# Altium PCB PCB1.PcbDoc (part 5 of 6)
Units mm, origin at the board's own origin, x right, y up, seen from the top; angles counter-clockwise.
Board outline 152.4 x 101.6 mm, 8 copper layers (L1-CU, GND, L3-CU-PWR, L4-CU, L5-CU-GND, L6-CU, L7-CU-GND, L8-CU), stack 1.524 mm thick; 274 components, 255 nets, 1291 pads, 685 vias.
Unrouted connection lines stored in the file: 236.
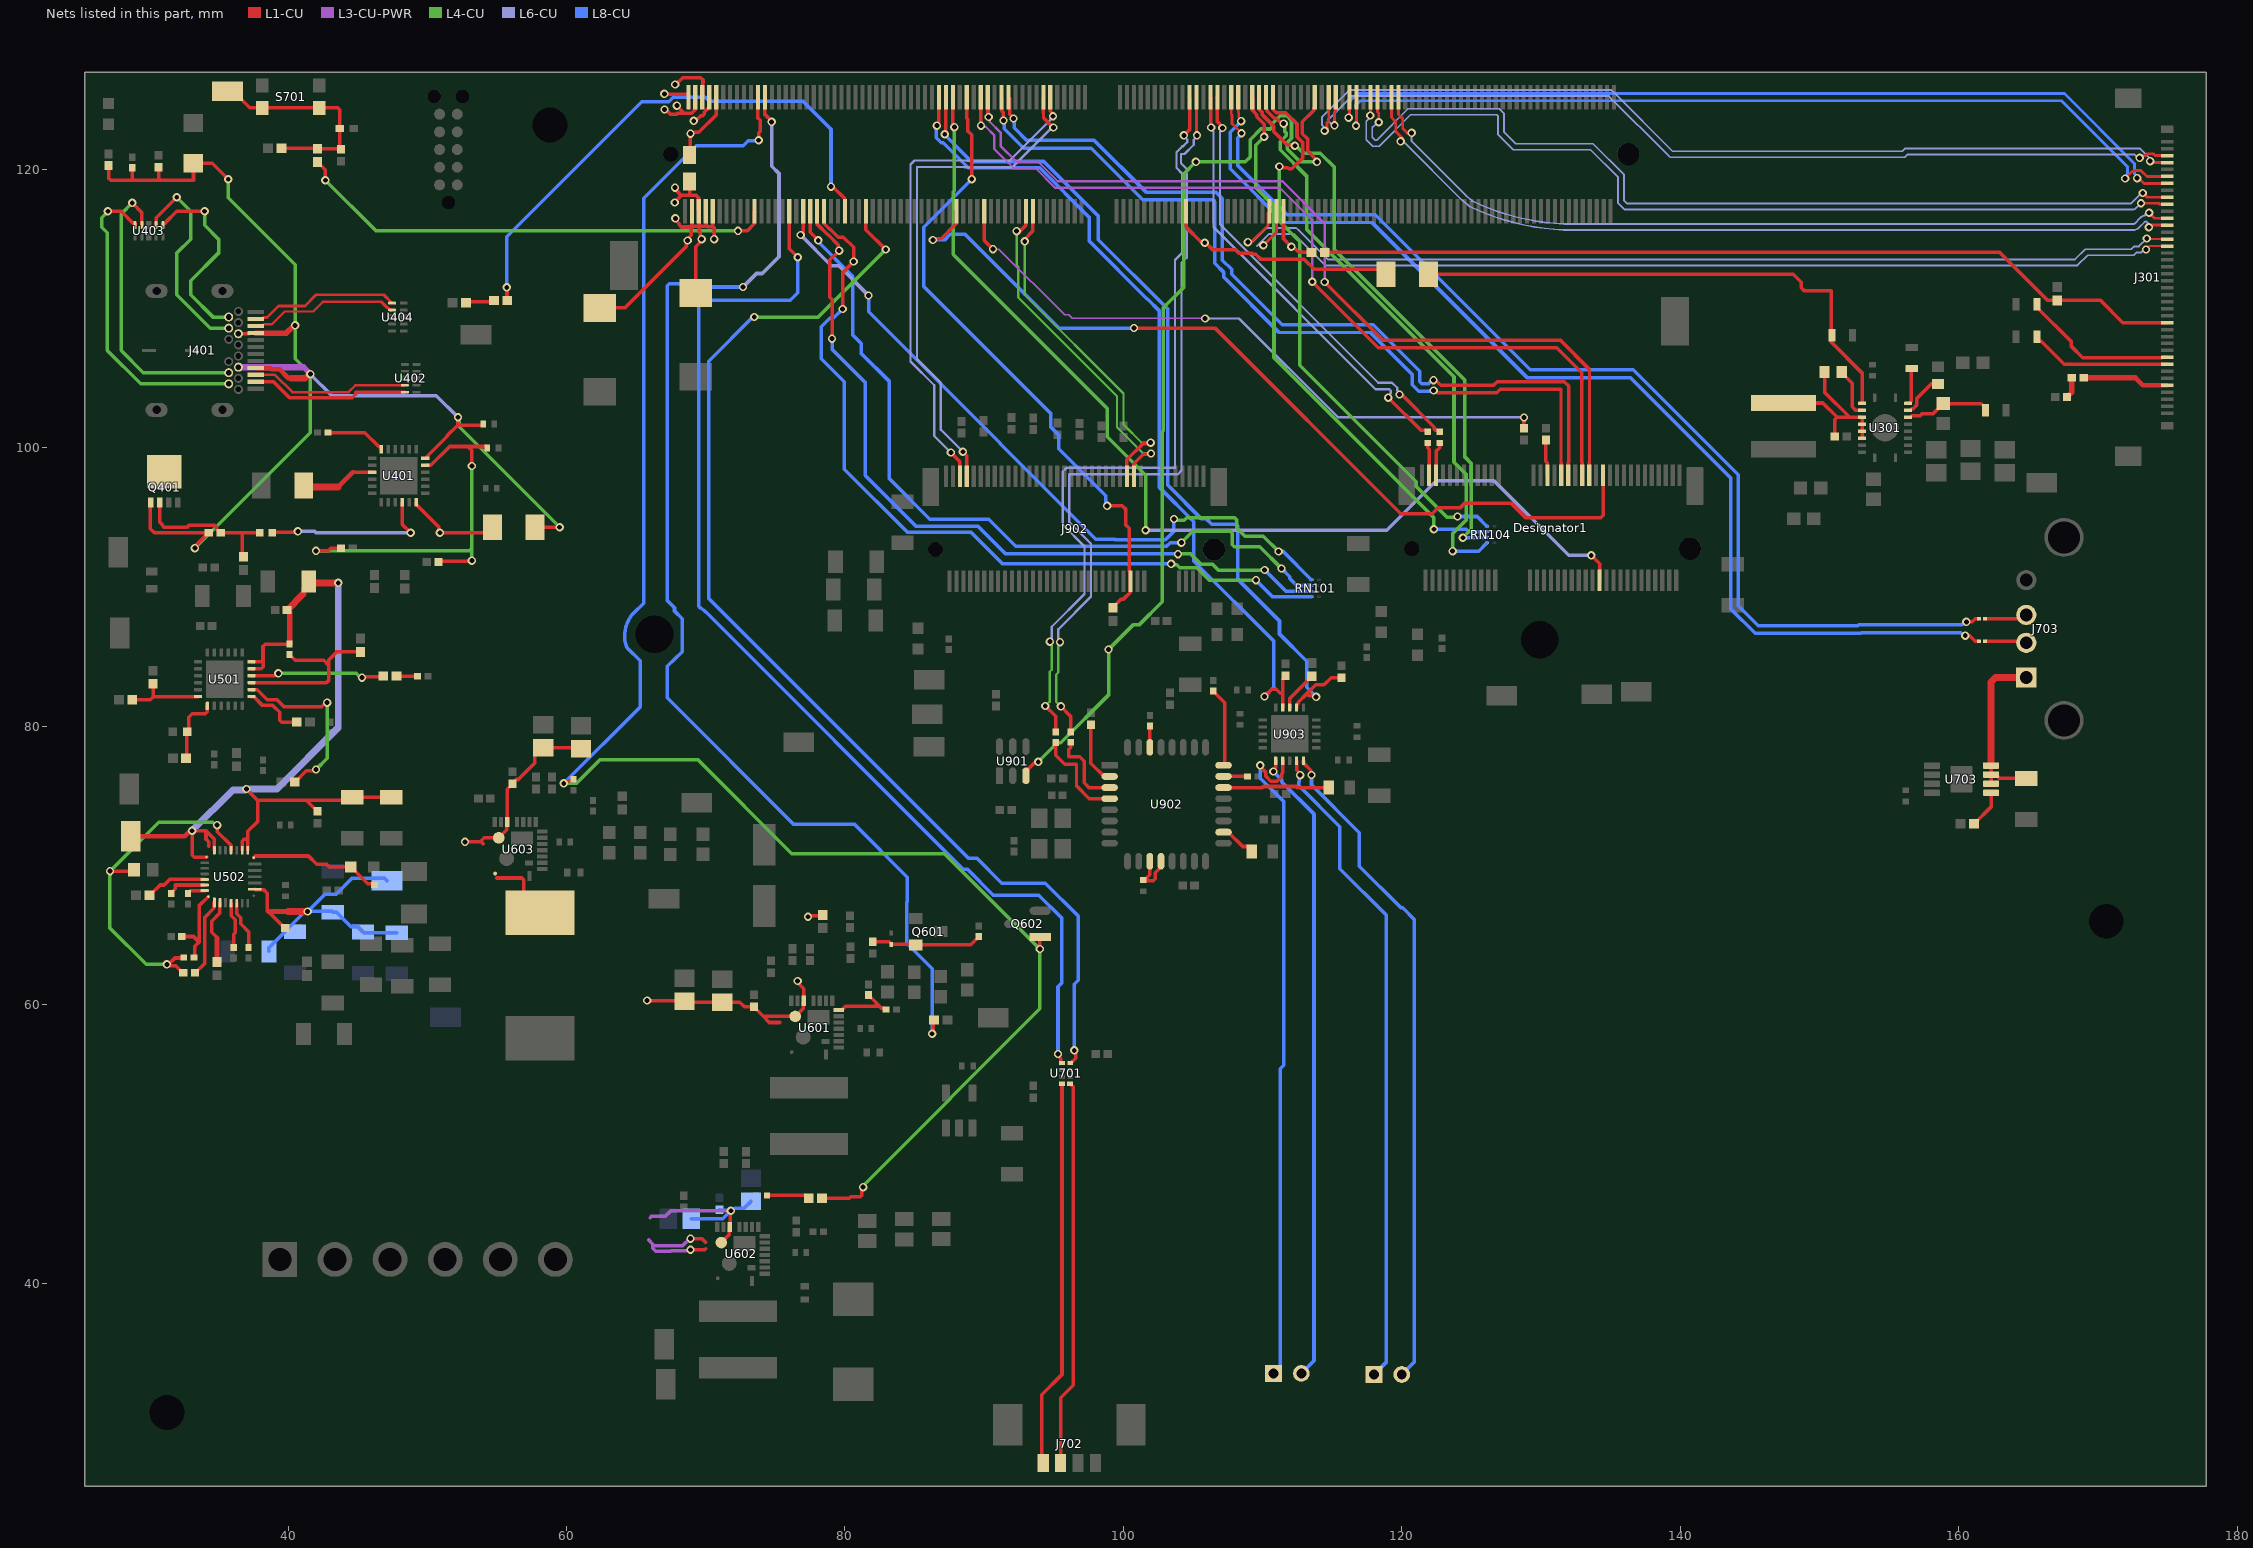
[diagram p11: the nets of this part, all layers, seen from the top]

## Via types
v1: diameter 0.6, hole 0.35, L1-CU to L8-CU, 685 vias

## Nets (pads, with @x,y where several pads share a name; then routed paths per layer and width w, separated by ;. In a path a pad name is that pad's centre, name@x,y a point inside that pad or via, vN(x,y) a via of type N, cw(c..) or ccw(c..) an arc to the next point about the centre after c; other vN are vias at no path point) (continued)
NetD601_1: D601.1 Q601.2 R613.2 R614.2 | length 8
  L1-CU w0.254: R613.2@82,64.525 83.184,64.525 83.329,64.38 D601.1@83.329,64.329 85.071,64.329 Q601.2@85.1,64.3 89.025,64.3 89.6,64.875 R614.2@89.6,64.9
NetD703_1: D703.1 pad.109 | length 79
  L1-CU w0.182: pad.109@108.25,125.2 108.241,125.191 108.241,124.155 108.282,124.113 108.282,123.758 108.458,123.583 v1(108.458,123.469)
  L1-CU w0.249: v1(160.477,86.512) 160.805,86.512 161.198,86.119 D703.1@161.462,86.119
  L8-CU w0.249: v1(108.458,123.469) 107.666,122.678 107.666,120.056 111.533,116.19 117.856,116.19 128.991,105.054 136.398,105.054 143.612,97.841 143.612,88.444 145.381,86.675 152.985,86.675 153.044,86.733 160.161,86.733 160.382,86.512 v1(160.477,86.512)
NetD704_1: D704.1 pad.111 | length 78
  L1-CU w0.182: pad.111@107.75,125.2 107.759,125.191 107.759,123.955 107.801,123.914 107.801,123.288 v1(108.483,122.606)
  L1-CU w0.249: v1(160.553,87.503) 160.986,87.503 161.198,87.714 D704.1@161.462,87.714
  L8-CU w0.249: v1(108.483,122.606) 108.483,122.553 108.215,122.284 108.215,120.283 111.76,116.738 118.083,116.738 129.219,105.603 136.625,105.603 144.16,98.068 144.16,88.671 145.608,87.224 152.758,87.224 152.817,87.282 160.237,87.282 160.458,87.503 v1(160.553,87.503)
NetJ15A_63: J301.12 pad.63 | length 60.5
  L1-CU w0.206: pad.63@119.75,125.2 119.75,123.959 120.069,123.641 120.069,122.933 v1@120.421,122.58 ; v1(173.685,116.891) 174.076,116.5 J301.12@175,116.5
  L6-CU w0.13: v1(120.701,122.631) 120.701,122.033 124.626,118.107 cw(c124.322,117.803) 124.628,118.106 124.638,118.095 ccw(c124.73,118.187) 124.645,118.089 125.048,117.745 ccw(c125.132,117.844) 125.075,117.728 ccw(c132.315,132.771) 125.085,117.723 ccw(c125.141,117.84) 125.115,117.713 ccw(c132.315,132.732) 132.31,116.076 172.543,116.076 ccw(c172.543,116.206) 172.635,116.114 173.047,116.526 cw(c173.443,116.13) 173.323,116.677 ccw(c173.296,116.804) 173.426,116.804 173.426,116.816 cw(c173.555,116.816) 173.62,116.929 173.555,116.967 cw(c173.555,116.837) 173.647,116.929 v1(173.685,116.891)
NetJ15A_65: J301.13 pad.65 | length 61.1
  L1-CU w0.206: pad.65@119.25,125.2 119.25,123.743 119.562,123.431 119.562,122.723 v1@120.063,122.222 ; v1(173.66,115.849) 173.81,116 J301.13@175,116
  L6-CU w0.13: v1(119.913,122.022) 120.104,122.022 124.322,117.803 124.334,117.792 ccw(c124.73,118.187) 124.366,117.762 124.77,117.417 ccw(c125.132,117.844) 124.884,117.343 ccw(c124.981,117.535) 124.887,117.341 ccw(c132.315,132.771) 124.899,117.335 124.928,117.321 ccw(c132.315,132.771) 132.31,115.646 172.543,115.646 ccw(c172.543,116.206) 172.939,115.81 173.351,116.222 cw(c173.443,116.13) 173.567,116.167 v1(173.66,115.849)
NetJ15A_69: J301.9 pad.69 | length 66.5
  L1-CU w0.206: pad.69@118.25,125.2 118.256,125.194 118.256,124.128 118.339,124.046 v1(118.339,123.393) ; v1(173.228,118.313) 173.541,118 J301.9@175,118
  L6-CU w0.13: v1(118.339,123.393) 118.282,123.393 117.96,123.072 117.869,123.072 117.869,122.319 118.084,122.104 118.192,122.104 120.445,124.356 127.002,124.356 127.33,124.029 127.33,122.705 128.194,121.842 133.733,121.842 135.966,119.609 135.966,117.752 136.153,117.565 172.404,117.565 172.48,117.641 172.48,117.655 173.138,118.313 v1(173.228,118.313)
NetJ15A_71: J301.10 pad.71 | length 66.8
  L1-CU w0.206: v1(117.729,123.876) 117.75,123.897 pad.71@117.75,125.2 ; v1(173.101,117.577) 174.37,117.577 174.447,117.5 J301.10@175,117.5
  L6-CU w0.13: v1(117.729,123.876) 117.729,123.757 117.439,123.466 117.439,122.141 117.906,121.674 118.37,121.674 120.623,123.927 126.824,123.927 126.9,123.851 126.9,122.527 128.016,121.412 133.555,121.412 135.536,119.431 135.536,117.574 135.975,117.135 172.582,117.135 172.586,117.139 172.663,117.139 v1(173.101,117.577)
NetJ15A_75: J301.6 pad.75 | length 65.5
  L1-CU w0.206: v1(116.713,123.139) 116.75,123.176 pad.75@116.75,125.2 ; v1(171.958,119.355) 172.462,119.859 172.546,119.859 172.601,119.913 173.106,119.913 173.519,119.5 J301.6@175,119.5
  L8-CU w0.206: v1(116.713,123.139) 116.753,123.18 116.753,124.422 116.713,124.462 116.713,124.633 117.02,124.94 167.39,124.94 172.137,120.194 172.137,119.64 171.958,119.461 v1(171.958,119.355)
NetJ15A_77: J301.7 pad.77 | length 64.9
  L1-CU w0.206: v1@116.23,123.723 116.25,123.743 pad.77@116.25,125.2 ; v1(172.822,119.38) 172.923,119.38 173.303,119 J301.7@175,119
  L8-CU w0.206: v1(116.18,123.723) 116.247,123.791 116.247,124.212 116.207,124.252 116.207,124.843 116.81,125.446 167.6,125.446 172.643,120.403 172.643,119.665 172.822,119.487 v1(172.822,119.38)
NetJ15A_81: J301.3 pad.81 | length 65.9
  L1-CU w0.206: v1(115.164,123.165) 115.164,124.135 115.25,124.222 pad.81@115.25,125.2 ; v1(173.003,120.832) 173.11,120.832 173.28,121.002 173.401,121.002 173.532,121.133 173.973,121.133 174.1,121.006 174.994,121.006 J301.3@175,121
  L6-CU w0.13: v1(115.164,123.165) 115.036,123.165 114.816,123.385 114.792,123.385 114.7,123.477 114.7,123.584 116.388,125.273 134.874,125.273 139.14,121.006 139.266,120.881 156.13,120.881 156.318,121.069 172.639,121.069 172.876,120.832 v1(173.003,120.832)
NetJ15A_83: J301.4 pad.83 | length 67.6
  L1-CU w0.206: v1(114.452,122.784) 114.63,122.962 114.63,123.385 114.75,123.505 pad.83@114.75,125.2 ; v1(173.753,120.6) 173.852,120.5 J301.4@175,120.5
  L6-CU w0.13: v1(114.452,122.784) 114.362,122.874 114.362,123.106 114.258,123.211 114.258,123.75 116.21,125.703 135.052,125.703 135.178,125.577 139.444,121.31 155.952,121.31 156.14,121.499 173.036,121.499 173.663,120.873 173.663,120.69 v1(173.753,120.6)
NetJ15A_87: pad.87 U901.3 | length 69.1
  L1-CU w0.254: U901.3@93,76.445 93,76.783 93.574,77.357 93.791,77.357 v1(93.878,77.445) ; pad.87@113.75,125.2 113.75,124.475 113.657,124.382 113.657,124.219 112.854,123.416 112.854,122.564 113.255,122.162 113.255,121.31 113.894,120.672 v1(113.894,120.548)
  L4-CU w0.254: v1(93.878,77.445) 95.255,78.821 95.509,78.821 98.933,82.245 v1(98.933,85.522) 100.691,87.28 101.123,87.28 102.794,88.951 102.794,101.168 102.87,101.244 102.87,110.058 104.321,111.509 104.321,119.662 v1(105.207,120.548) 108.763,120.548 109.115,120.901 109.115,122.146 109.878,122.909 110.34,122.909 110.342,122.906 110.553,122.906 110.702,123.055 110.702,123.275 111.275,123.849 111.737,123.849 112.074,123.511 112.074,122.253 111.757,121.936 111.757,121.475 112.684,120.548 v1(113.894,120.548)
NetJ15A_96: pad.96 R206.2 | length 4.4
  L1-CU w0.254: pad.96@111.5,117 111.5,115.017 v1(112.065,114.452) 112.189,114.452 112.595,114.046 R206.2@113.52,114.046
NetJ15A_98: J301.16 pad.98 | length 70.5
  L1-CU w0.144: v1(173.457,114.249) 173.707,114.5 J301.16@175,114.5
  L1-CU w0.206: v1(110.058,114.554) 111,115.496 pad.98@111,117
  L6-CU w0.13: 109.576,114.478 109.652,114.554 ; v1(110.058,114.554) 109.652,114.554 ; v1(173.457,114.249) 173.329,114.249 173.124,114.044 172.79,114.044 172.581,113.834 169.261,113.834 168.533,113.106 114.505,113.106 114.379,113.232 112.243,115.368 110.465,115.368 109.652,114.554
NetJ15A_99: pad.99 RN104.8 | length 41.1
  L1-CU w0.254: pad.99@110.75,125.2 110.773,125.177 110.773,124.289 110.994,124.068 111.669,124.068 112.47,123.267 112.47,122.338 112.871,121.936 112.871,120.822 112.09,120.04 111.88,120.04 111.789,120.131 111.289,120.131 v1(111.201,120.218)
  L4-CU w0.254: v1(111.201,120.218) 111.201,116.294 112.677,114.818 112.677,105.94 121.04,97.578 121.04,97.222 123.231,95.031 123.962,95.031 v1(124.003,95.072)
  L8-CU w0.254: v1(124.003,95.072) 125.412,95.072 126.072,94.413 126.088,94.413 126.111,94.39 RN104.8@126.111,94.374
NetJ15A_100: J301.15 pad.100 | length 71.1
  L1-CU w0.144: v1(173.507,115.037) 173.544,115 J301.15@175,115
  L1-CU w0.206: v1(108.941,114.783) 109.18,114.783 110.383,115.985 110.383,116.883 pad.100@110.5,117
  L6-CU w0.13: v1(108.941,114.783) 109.272,114.782 110.162,115.672 110.287,115.797 112.422,115.797 112.547,115.672 114.683,113.536 168.355,113.536 169.083,114.264 172.403,114.264 172.612,114.474 172.944,114.474 v1(173.507,115.037)
NetJ15A_101: pad.101 RN104.5 | length 42.2
  L1-CU w0.254: pad.101@110.25,125.2 110.273,125.177 110.273,124.331 110.343,124.261 110.343,124.175 110.834,123.684 110.99,123.684 111.382,123.292 v1(111.506,123.292)
  L4-CU w0.254: v1(111.506,123.292) 111.593,123.204 111.593,122.719 111.69,122.622 111.69,122.412 111.274,121.996 111.274,121.415 113.157,119.532 113.157,115.697 123.749,105.105 123.749,98.957 124.615,98.09 124.615,94.818 123.647,93.85 v1(123.647,92.583)
  L8-CU w0.254: v1(123.647,92.583) 125.52,92.583 126.072,93.134 126.088,93.134 126.111,93.157 RN104.5@126.111,93.174
NetJ15A_103: pad.103 RN104.6 | length 41
  L1-CU w0.254: pad.103@109.75,125.2 109.773,125.177 109.773,124.288 109.959,124.102 109.959,123.946 110.786,123.119 110.786,122.741 111.756,121.772 112.248,121.772 v1(112.314,121.706)
  L4-CU w0.254: v1(112.314,121.706) 112.401,121.706 112.929,121.178 114.131,121.178 115.161,120.148 115.161,114.236 124.536,104.861 124.536,99.343 124.999,98.879 124.999,94.164 v1(124.384,93.548)
  L8-CU w0.254: v1(124.384,93.548) 125.943,93.548 125.952,93.558 126.095,93.558 RN104.6@126.111,93.574
NetJ15A_105: pad.105 RN104.7 | length 40.8
  L1-CU w0.254: pad.105@109.25,125.2 109.273,125.177 109.273,124.245 109.575,123.943 109.575,123.787 110.109,123.253 v1(110.109,122.352)
  L4-CU w0.254: v1(110.109,122.352) 109.499,121.742 109.499,118.694 110.817,117.376 110.817,106.48 122.301,94.996 v1(122.301,94.158)
  L8-CU w0.254: v1(122.301,94.158) 122.304,94.161 124.638,94.161 124.825,93.974 RN104.7@126.111,93.974
NetJ15A_115: pad.115 R102.1 | length 31.6
  L1-CU w0.249: pad.115@106.75,125.2 106.726,125.176 106.726,123.462 107.112,123.076 v1(107.112,122.981) ; v1(119.837,103.835) 119.992,103.835 122.338,101.489 122.338,101.334 122.389,101.284 122.596,101.284 R102.1@122.72,101.159
  L6-CU w0.167: v1(107.112,122.981) 107.112,122.863 106.939,122.691 106.939,116.058 118.311,104.685 119.297,104.685 119.669,104.314 119.669,104.12 119.837,103.952 v1(119.837,103.835)
NetJ15A_117: pad.117 R101.1 | length 31.5
  L1-CU w0.249: pad.117@106.25,125.2 106.275,125.175 106.275,123.037 v1(106.299,123.012) ; v1(119.024,103.607) 121.347,101.284 121.734,101.284 R101.1@121.859,101.159
  L6-CU w0.167: v1(106.299,123.012) 106.299,122.895 106.472,122.722 106.472,115.864 118.118,104.218 119.104,104.218 119.202,104.12 119.202,103.901 119.024,103.724 v1(119.024,103.607)
NetJ15A_124: pad.124 R208.1 | length 16.9
  L1-CU w0.254: pad.124@104.5,117 104.5,115.87 105.551,114.819 105.754,114.819 v1(105.842,114.732) 105.918,114.732 106.401,114.249 108.023,114.249 108.28,113.992 109.248,113.992 109.322,113.919 109.499,113.919 109.88,113.538 112.99,113.538 113.701,112.827 118.516,112.827 R208.1@118.872,112.471
NetJ15A_182: Designator1.53 pad.182 | length 63.4
  L1-CU w0.254: v1(86.309,114.935) 86.397,115.022 86.911,115.022 87.977,116.089 87.977,116.977 pad.182@88,117 ; v1(100.762,108.61) 106.578,108.61 119.913,95.275 122.174,95.275 122.583,95.685 124.184,95.685 124.536,96.037 127.838,96.037 128.88,94.996 134.293,94.996 134.458,95.16 Designator1.53@134.458,98.034
  L8-CU w0.254: v1(86.309,114.935) 87.158,114.935 87.565,115.341 88.621,115.341 95.352,108.61 v1(100.762,108.61)
NetJ15A_183: Designator1.52 pad.183 | length 74.7
  L1-CU w0.254: pad.183@87.75,125.2 87.75,123.24 87.859,123.131 v1(87.859,123.038) ; v1(133.604,92.278) 134.208,91.675 Designator1.52@134.208,90.484
  L4-CU w0.254: v1(87.859,123.038) 87.859,118.457 87.782,118.381 87.782,113.894 98.85,102.826 98.85,100.794 101.6,98.044 v1(101.6,94.082)
  L6-CU w0.254: v1(101.6,94.082) 118.923,94.082 122.479,97.638 126.619,97.638 131.978,92.278 v1(133.604,92.278)
NetJ15A_185: pad.185 R908.1 U903.17 | length 63.5
  L1-CU w0.254: v1(87.169,122.53) 87.25,122.61 pad.185@87.25,125.2 ; U903.17@112.438,81.351 112.438,81.517 112.561,81.64 112.561,81.728 113.187,82.354 ; v1(113.843,82.118) 113.755,82.206 113.336,82.206 113.187,82.354 ; R908.1@115.672,83.493 114.919,83.493 114.407,82.981 113.813,82.981 113.187,82.354
  L8-CU w0.254: v1(87.169,122.53) 87.169,122.482 89.078,120.574 94.285,120.574 98.196,116.662 98.196,114.954 103.175,109.976 103.175,97.333 105.613,94.894 105.969,94.894 106.35,94.513 108.081,94.513 108.229,94.365 108.229,90.551 111.213,87.568 111.213,86.628 113.16,84.681 113.16,82.801 v1(113.843,82.118)
NetJ15A_187: pad.187 R909.1 U903.19 | length 60.6
  L1-CU w0.254: v1(86.603,123.152) 86.603,123.275 86.75,123.422 pad.187@86.75,125.2 ; v1(110.134,82.144) 110.665,82.674 110.973,82.674 111.269,82.377 111.438,82.377 ; U903.19@111.438,81.351 111.438,82.377 ; R909.1@111.658,83.645 111.658,83.624 111.438,83.403 111.438,82.377
  L8-CU w0.254: v1(86.603,123.152) 86.557,123.105 86.557,122.276 86.916,121.917 87.049,121.917 88.849,120.117 93.98,120.117 97.561,116.535 97.561,114.833 101.676,110.719 101.702,110.719 102.589,109.831 102.589,97.157 105.054,94.691 105.054,91.869 110.795,86.129 110.795,82.804 v1(110.134,82.144)
NetJ15A_208: pad.208 U701.4 | length 83.3
  L1-CU w0.254: pad.208@81.5,117 81.5,115.68 v1(82.931,114.249) ; U701.4@96.18,55.817 96.208,55.845 96.263,55.845 96.566,56.148 96.566,56.498 96.469,56.594 v1(96.469,56.718)
  L4-CU w0.254: v1(73.482,109.398) 78.08,109.398 v1(82.931,114.249)
  L8-CU w0.254: v1@73.431,109.449 70.206,106.223 70.206,89.179 88.849,70.536 89.459,70.536 91.262,68.732 94.386,68.732 96.749,66.37 96.749,61.746 96.469,61.466 v1(96.469,56.718)
NetJ15A_214: pad.214 R203.1 | length 39.4
  L1-CU w0.254: v1(55.702,111.531) 55.72,111.514 55.72,110.609 R203.1@55.738,110.592 ; v1(78.994,118.77) 79.118,118.77 79.977,117.911 79.977,117.023 pad.214@80,117
  L8-CU w0.254: v1(55.702,111.531) 55.702,115.164 65.405,124.866 67.333,124.866 67.666,125.2 69.976,125.2 70.259,124.917 76.962,124.917 78.994,122.885 v1(78.994,118.77)
NetJ15A_220: pad.220 RN101.5 | length 58.8
  L1-CU w0.254: pad.220@78.5,117 78.523,116.977 78.523,116.089 78.916,115.696 78.954,115.696 79.512,115.138 79.883,115.138 80.62,114.402 v1(80.62,113.386) 79.832,112.598 v1(79.832,109.982)
  L4-CU w0.254: v1(103.429,91.669) 103.495,91.602 103.825,91.602 104.038,91.389 105.283,91.389 106.172,90.5 v1(109.525,90.5)
  L8-CU w0.254: v1(79.832,109.982) 79.153,109.303 78.897,109.303 78.305,108.712 78.305,106.404 79.959,104.75 79.959,98.476 84.48,93.955 89.027,93.955 91.313,91.669 v1(103.429,91.669) ; v1(109.525,90.5) 110.709,89.316 RN101.5@113.502,89.316
NetJ15A_222: pad.222 RN101.6 | length 56.5
  L1-CU w0.254: pad.222@78,117 78.023,116.977 78.023,116.045 78.757,115.312 78.795,115.312 79.528,114.578 79.528,114.223 v1(79.578,114.173) 78.918,113.513 78.918,110.819 79.07,110.666 v1(79.07,107.848)
  L4-CU w0.254: v1(103.919,92.371) 103.928,92.38 104.835,92.38 105.576,91.639 106.405,91.639 106.819,91.225 v1(110.147,91.225)
  L8-CU w0.254: v1(79.07,107.848) 79.07,107.086 81.458,104.699 81.458,98.019 85.09,94.386 89.535,94.386 91.542,92.38 103.91,92.38 v1(103.919,92.371) ; v1(110.147,91.225) 111.655,89.716 RN101.6@113.502,89.716
NetJ15A_224: pad.224 RN101.7 | length 56.5
  L1-CU w0.254: pad.224@77.5,117 77.5,115.489 v1(78.08,114.91)
  L4-CU w0.254: v1(104.165,93.193) 104.978,94.005 107.674,94.005 107.823,93.857 107.823,93.037 107.972,92.888 109.804,92.888 v1(111.354,91.338)
  L8-CU w0.254: v1(78.08,114.91) 78.08,114.805 80.543,112.341 80.543,108.132 81.181,107.495 81.181,106.779 83.192,104.768 83.192,97.783 86.099,94.876 90.315,94.876 92.264,92.928 103.097,92.928 103.362,93.193 v1(104.165,93.193) ; v1(111.354,91.338) 111.945,90.747 111.945,90.62 112.449,90.116 RN101.7@113.502,90.116
NetJ15A_226: pad.226 RN101.8 | length 51.7
  L1-CU w0.254: v1(76.81,115.291) 77,115.481 pad.226@77,117
  L4-CU w0.254: v1(103.632,94.894) 103.734,94.793 104.369,94.793 104.546,94.971 108.004,94.971 108.153,94.822 108.153,94.234 108.737,93.65 110.058,93.65 v1(111.15,92.558)
  L6-CU w0.254: v1(76.81,115.291) 79.007,113.094 79.54,113.094 v1(81.686,110.947)
  L8-CU w0.254: v1(81.686,110.947) 81.712,110.922 81.712,109.79 91.164,100.338 91.164,100.301 98.018,93.447 99.362,93.447 99.413,93.396 103.022,93.396 103.632,94.005 v1(103.632,94.894) ; v1(111.15,92.558) 111.476,92.558 113.502,90.532 RN101.8@113.502,90.516
NetJ15A_230: pad.230 U701.5 | length 81.3
  L1-CU w0.254: pad.230@76,117 76,114.297 v1(76.606,113.69) ; v1(95.301,56.464) 95.301,56.34 95.507,56.134 95.507,55.845 95.535,55.817 U701.5@95.59,55.817
  L8-CU w0.254: v1(76.606,113.69) 76.606,111.15 76.073,110.617 69.643,110.617 69.494,110.468 69.494,88.621 69.569,88.546 69.582,88.533 69.977,88.24 69.99,88.226 88.468,69.748 88.773,69.748 90.653,67.869 93.929,67.869 95.555,66.243 95.555,61.543 95.301,61.289 v1(95.301,56.464)
NetJ15A_237: pad.237 R202.1 | length 87.1
  L1-CU w0.254: pad.237@74.25,125.2 74.25,123.944 74.727,123.467 v1(74.727,123.419) ; v1(86.258,57.912) 86.329,57.983 86.329,58.829 R202.1@86.4,58.9
  L6-CU w0.254: v1(72.669,111.557) 73.64,112.528 74.047,112.528 75.26,113.741 75.26,119.71 74.727,120.244 v1(74.727,123.419)
  L8-CU w0.254: 67.754,84.823 67.234,84.303 67.234,82.147 67.234,82.042 76.327,72.949 80.696,72.949 84.479,69.166 84.479,67.413 84.427,67.361 84.427,64.425 86.258,62.594 v1(86.258,57.912) ; 67.755,84.824 68.299,85.368 68.299,86.137 68.299,87.733 67.754,88.279 67.754,88.518 67.234,89.038 67.234,111.637 67.383,111.785 69.85,111.785 70.078,111.557 v1(72.669,111.557)
NetJ15A_239: 
NetJ301_27: J301.27 R206.1 R312.1 | length 62.6
  L1-CU w0.254: R206.1@114.47,114.046 162.938,114.046 166.364,110.62 167.061,110.62 R312.1@167.081,110.6 170.185,110.6 171.785,109 J301.27@175,109
NetJ301_32: J301.32 R313.2 | length 11.3
  L1-CU w0.254: R313.2@165.613,110.307 165.613,110.107 168.072,107.648 168.072,107.315 168.913,106.474 174.613,106.474 174.637,106.498 174.998,106.498 J301.32@175,106.5
NetJ301_33: J301.33 R314.2 | length 10.3
  L1-CU w0.254: R314.2@165.621,107.975 165.621,107.775 165.744,107.652 165.944,107.652 167.597,106 J301.33@175,106
NetJ301_36: J301.36 R308.2 | length 6.2
  L1-CU w0.35: 172.683,105.041 173.224,104.5 J301.36@175,104.5
  L1-CU w0.4: R308.2@168.98,105.041 172.683,105.041
NetJ301_37: 
NetJ702_3: J702.3 U701.1 | length 27.7
  L1-CU w0.254: J702.3@95.489,27.083 95.489,31.76 96.393,32.664 96.393,54.099 96.263,54.229 96.263,54.289 96.235,54.317 U701.1@96.175,54.317
NetJ702_4: J702.4 U701.8 | length 27.9
  L1-CU w0.254: J702.4@94.239,27.083 94.132,27.189 94.132,31.979 95.59,33.436 U701.8@95.59,54.317
NetJ901_50: 
NetL603_1: L603.1 U603.5-6-7-8-9 | length 4.8
  L1-CU w0.254: 54.98,69.104 56.774,69.104 56.923,68.955 56.923,67.778 L603.1@58.09,66.611
NetP801_2: P801.2 U903.6 | length 45.7
  L1-CU w0.254: v1(110.769,76.759) 110.769,76.852 110.931,77.014 110.931,77.519 U903.6@110.938,77.526
  L8-CU w0.254: v1(110.769,76.759) 111.386,76.142 111.386,76.003 113.69,73.698 113.69,34.419 P801.2@112.785,33.514
NetQ401_2: Q401.2 R402.2 R405.1 R406.2 | length 11
  L1-CU w0.254: Q401.2@30.775,96.075 30.775,94.674 30.949,94.5 30.949,94.433 31.098,94.284 32.729,94.284 32.877,94.432 34.706,94.432 34.857,94.281 34.857,94.168 35.084,93.941 35.191,93.941 R405.1@35.15,93.9 ; R405.1@35.125,93.9 36.7,93.9 ; R402.2@36.8,92.175 36.7,92.275 36.7,93.9 ; R406.2@37.95,93.9 36.7,93.9
NetR203_2: R203.2 R205.1 | length 2.1
  L1-CU w0.254: R205.1@52.778,110.436 52.856,110.514 54.71,110.514 R203.2@54.788,110.592
NetR208_2: R208.2 R302.2 U301.2 | length 38.6